# Allegro board com_v1_p3.brd (continued)
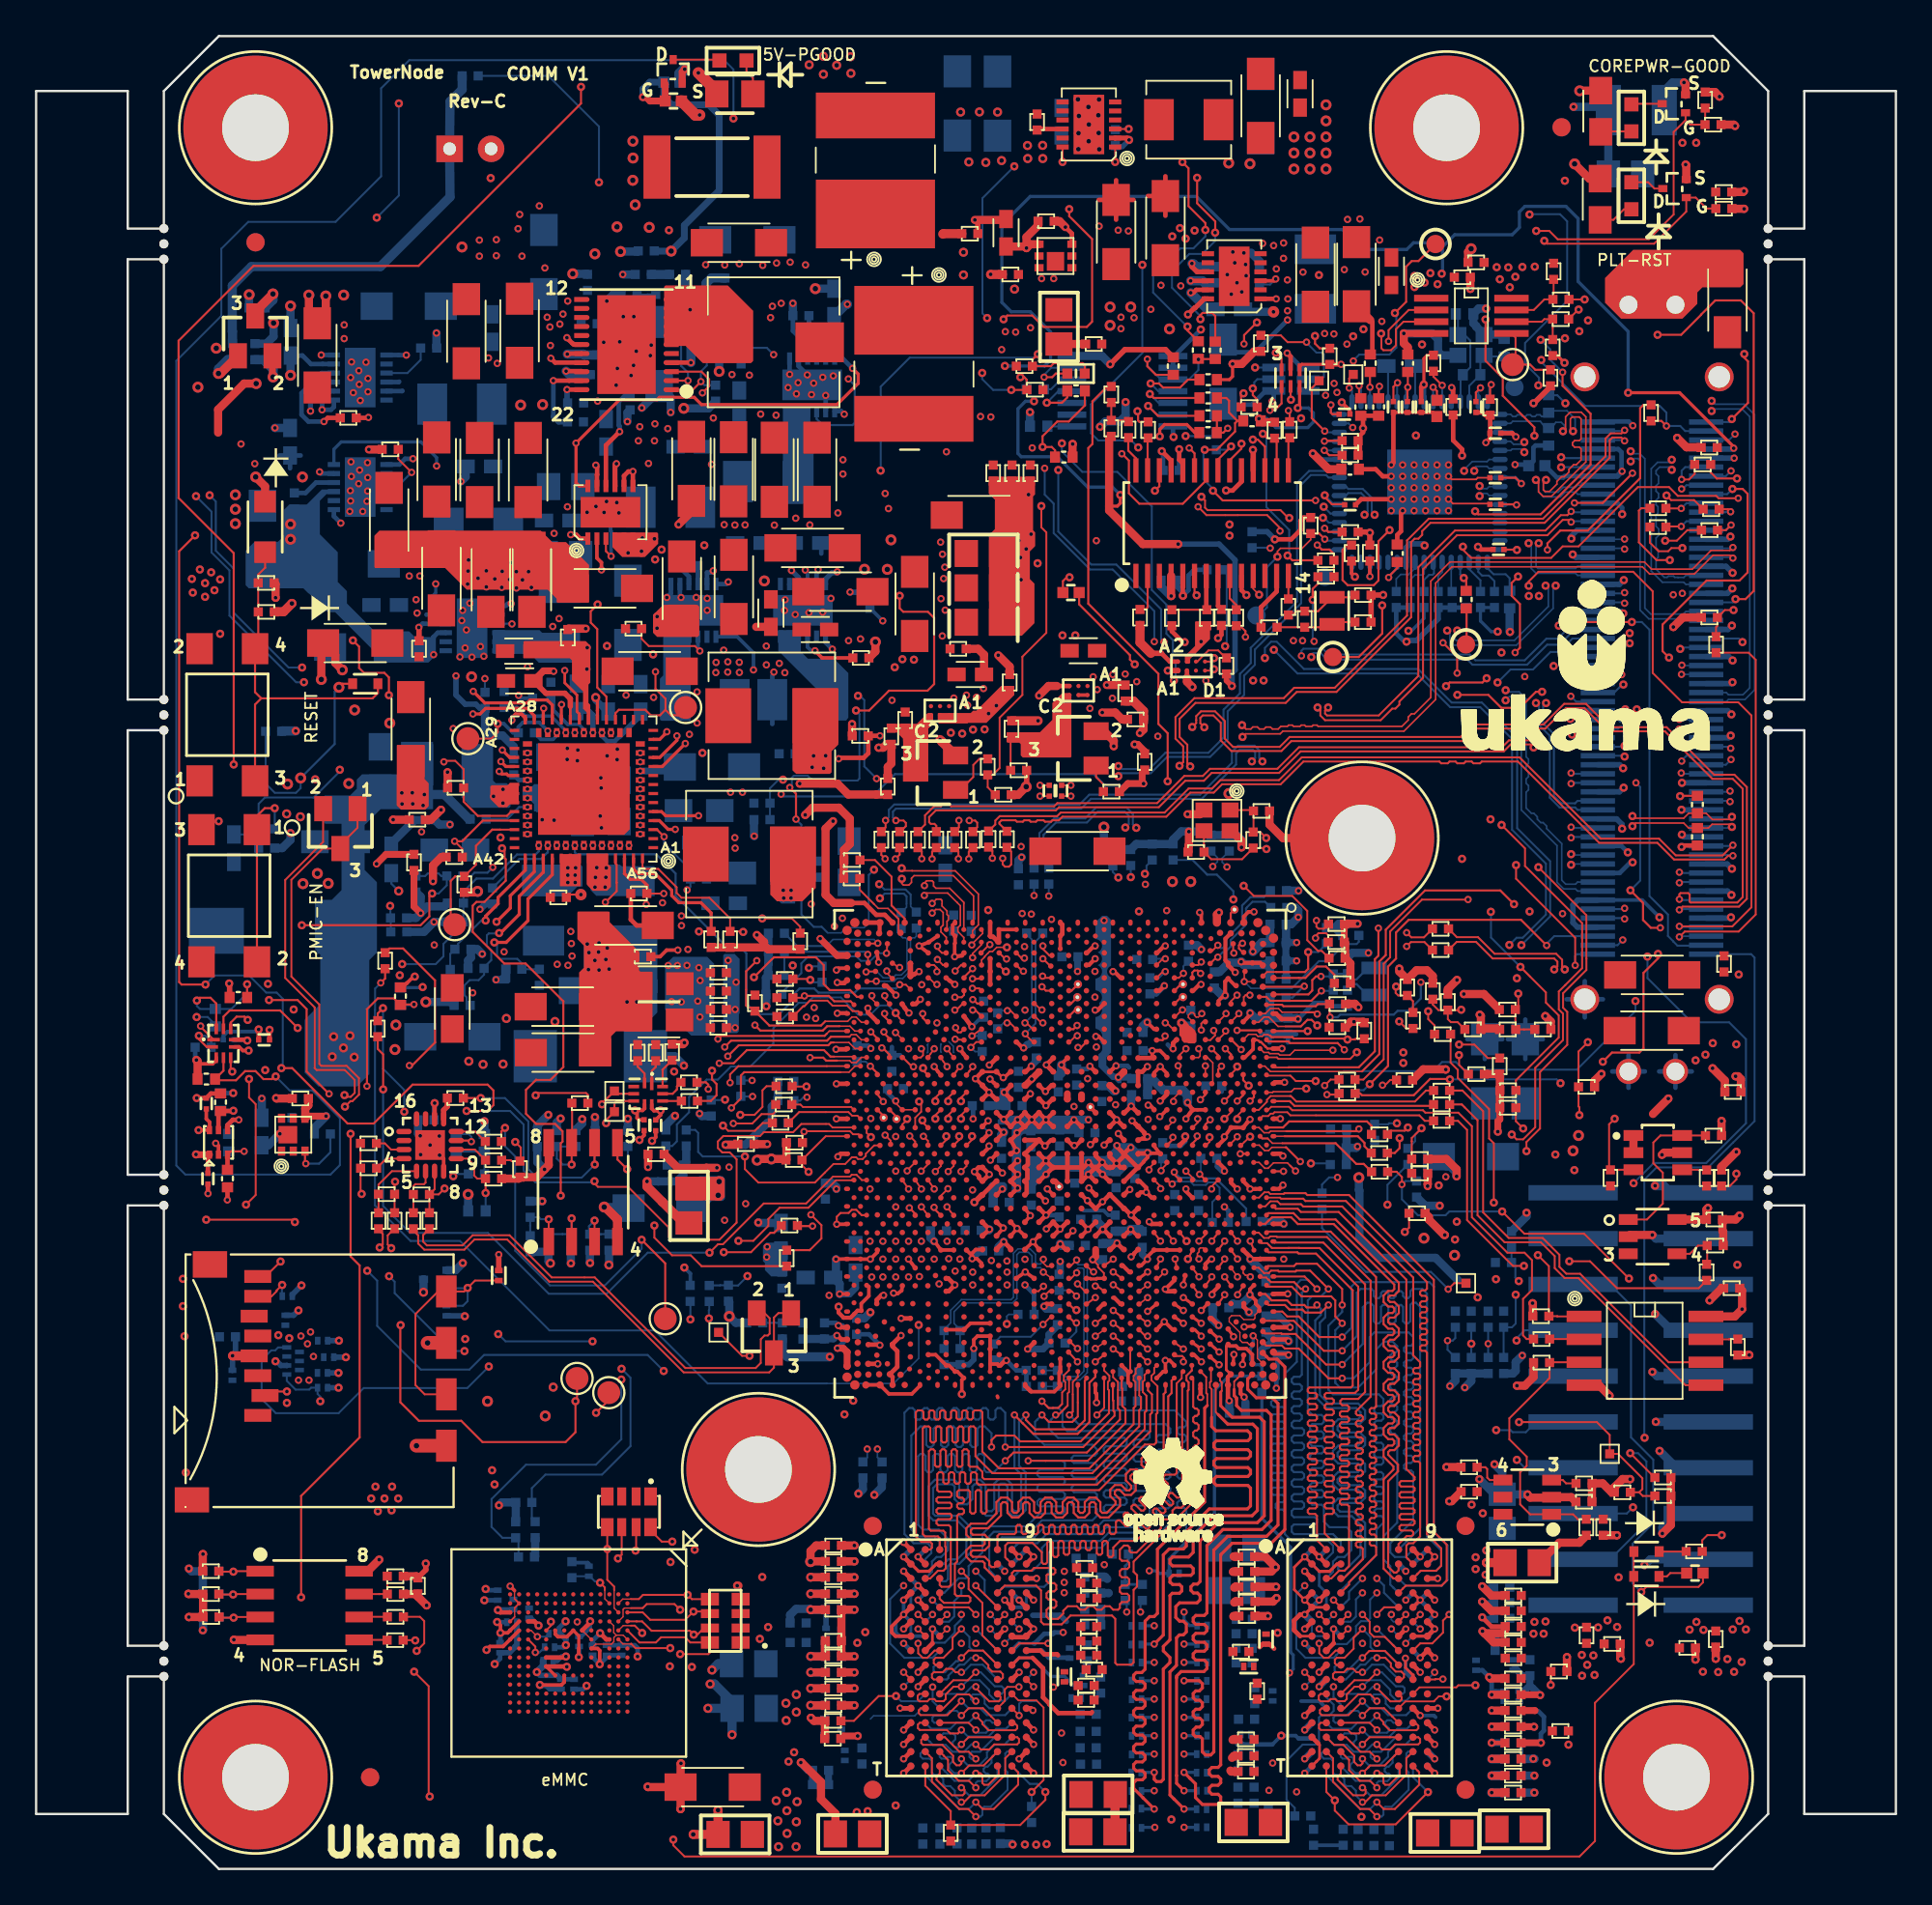
[diagram p0: board, top side]
## Routing (per net, layer and track width the routed paths; a pad name or vN(x,y) marks a point on that pad's centre or on a via; arc(x,y) is an arc through that point) (continued)
M_A_DQS_P5: length 31.7
  TOP w0.086: U37.F3 v2(50.47,14.1) ; U3C1.T42 v2(61.59,32.38)
  L3_SIG1 w0.114: v2(61.59,32.38) 61.5,32.38 61.21,32.1 61.21,31.63 60.06,30.48 60.06,27.42 59.22,26.57 59.22,25.97 59.2,25.95 59.2,22.01 58.94,21.76 58.74,21.76 58.33,22.16 57.95,22.16 57.67,21.89 57.67,21.5 58.08,21.09 58.08,20.9 57.95,20.77 57.76,20.77 57.35,21.18 56.96,21.18 56.68,20.9 56.68,20.51 57.09,20.1 57.09,19.91 56.92,19.74 56.76,19.74 56.32,20.18 55.96,20.18 55.66,19.88 55.66,19.52 57.13,18.06 57.13,17.79 57.02,17.67 56.41,17.67 55.99,17.25 55.99,16.81 55.92,16.74 54.69,16.74 54.64,16.69 54.63,16.69 53.47,15.53 53.41,15.53 52.88,14.99 50.95,14.99 50.63,14.67 50.63,14.25 v2(50.47,14.1)
M_A_DQS_P6: length 31.9
  TOP w0.086: v2(58.7,29.54) U3C1.Y47
  L8_SIG4 w0.114: v2(58.7,29.54) 58.34,29.17 58.34,28.67 58.54,28.47 58.95,28.47 59.06,28.36 59.06,27.09 58.91,26.94 58.41,26.94 58.07,26.61 58.07,23.94 55.6,21.48 53.98,21.48 53.71,21.2 53.71,20.81 53.98,20.54 55.6,20.54 55.74,20.4 55.74,20.21 55.6,20.08 53.98,20.08 53.71,19.8 53.71,19.41 53.98,19.14 55.6,19.14 55.74,19 55.74,18.81 55.6,18.68 53.98,18.68 53.71,18.41 53.71,18.02 53.98,17.74 55.6,17.74 55.74,17.61 55.74,17.04 55.6,16.9 54.71,16.9 54.34,16.53 54.34,15.77 54.21,15.64 53.7,15.64 53.69,15.63 53.49,15.63 53.03,15.17 53.03,14.25 v2(52.87,14.1)
  BOTTOM w0.086: U30.F3 53.27,13.7 v2(52.87,14.1)
M_A_DQS_P7: length 31.6
  TOP w0.119: v2(54.85,25.16) 54.85,24.89 55.37,24.37 57.61,24.37 58.11,24.87 58.11,27.05 58.21,27.15 U3C1.AB52
  BOTTOM w0.119: v2(54.85,25.16) 54.47,24.78 54.47,22.35 54.84,21.98 54.84,19.89 54.52,19.58 54.11,19.58 53.83,19.87 53.83,21.2 53.67,21.35 53.45,21.35 53.35,21.25 53.35,19.87 53.06,19.58 52.65,19.58 52.36,19.87 52.36,21.17 52.22,21.32 52,21.32 51.88,21.2 51.88,20.5 51.6,20.21 51.19,20.21 50.9,20.5 50.9,21.2 50.78,21.32 49.92,21.32 49.7,21.11 49.7,19.7 49.82,19.58 51.14,19.58 51.8,18.92 51.8,17.56 51.15,16.91 50.66,16.91 50.53,16.78 50.53,16.06 50.41,15.94 50.23,15.94 U30.C7
M_A_ODT0: length 77.3
  TOP w0.109: U27.K1 70.54,10.67 v2(70.3,10.9) ; U37.K1 v2(48.07,10.9)
  TOP w0.173: v2(61.59,33.09) U3C1.T41
  L3_SIG1 w0.157: v2(52.07,12.5) 52.91,12.5 53.39,12.02 54.07,12.02 54.24,12.2 55.31,12.2 55.7,11.81 55.7,11.33 v2(55.27,10.9) ; v2(70.3,10.9) 70.71,11.31 72.73,11.31 72.88,11.47 72.88,11.92 73.05,12.08 73.96,12.08 74.3,12.42 v2(74.3,12.5)
  L7_PWR2 w0.157: v2(48.07,10.9) 48.44,11.27 48.79,11.62 50.07,12.9 51.67,12.9 v2(52.07,12.5) 52.48,12.9 52.48,13.56 52.62,13.7 56.34,13.7 57.39,14.75 59.08,14.75 59.46,15.13 62.72,15.13 63.06,14.8 v2(63.61,14.24) 64.49,14.24 66.25,12.49 69.29,12.49 69.71,12.91 73.9,12.91 v2(74.3,12.5) 75.13,12.5 75.55,12.08 77.65,12.08 77.93,11.81 77.93,11.33 v2(77.5,10.9)
  L8_SIG4 w0.102: 64.37,31.39 63.74,32.02 63.43,32.02 62.73,32.72 61.96,32.72 v2(61.59,33.09)
  L8_SIG4 w0.157: v2(63.61,14.24) 63.61,13.86 63.86,13.61 64.15,13.61 64.29,13.76 64.29,14.1 64.44,14.24 64.64,14.24 64.79,14.1 64.79,13.76 64.93,13.61 65.14,13.61 65.28,13.76 65.28,14.1 65.43,14.24 65.63,14.24 65.78,14.1 65.78,13.75 65.92,13.61 66.28,13.61 66.91,14.24 66.91,25.29 66.53,25.67 66.53,27.58 65.98,28.13 65.98,30.42 65.01,31.39 64.37,31.39
  BOTTOM w0.109: U24.K1 v2(77.5,10.9)
  BOTTOM w0.112: U30.K1 v2(55.27,10.9)
  BOTTOM w0.173: R11240.1 63.92,13.49 63.61,13.8 v2(63.61,14.24)
M_A_RAS_N: length 65.9
  TOP w0.109: U37.J3 49.85,11.3 49.74,11.4 49.74,11.6 49.85,11.7 50.28,11.7 50.79,12.21 50.79,12.81 v2(51.27,13.3) ; v2(73.5,13.3) 73.01,12.81 73.01,12.21 72.5,11.7 72.07,11.7 71.97,11.6 71.97,11.4 72.07,11.3 U27.J3
  TOP w0.173: U3C1.M45 v2(63.58,30.25)
  L4_PWR1 w0.157: v2(73.5,13.3) 73.11,12.91 72.28,12.08 69.96,12.08 69.45,12.59 64.63,12.59 64.12,13.1 62.34,13.1 v2(61.96,13.48) 61.68,13.2 61.26,12.78 61.26,12.4 60.95,12.08 60.58,12.08 60.32,12.34 59.92,12.34 59.66,12.08 59.26,12.08 59,12.34 58.6,12.34 58.34,12.08 57.94,12.08 57.68,12.34 57.28,12.34 57.02,12.08 55.83,12.08 55.32,12.6 54.39,12.6 53.88,12.08 53.45,12.08 52.63,12.9 51.68,12.9 51.58,13 v2(51.27,13.3)
  L8_SIG4 w0.102: v2(63.58,30.25) 63.93,29.89 63.93,27.77 63.74,27.58
  L8_SIG4 w0.157: 63.74,27.58 63.74,27.58 63.74,21.73 62.09,20.08 61.83,20.08 61.71,19.96 61.71,19.76 61.85,19.61 62.8,19.61 62.95,19.47 62.95,19.26 62.8,19.12 61.22,19.12 61.07,18.97 61.07,18.77 61.22,18.62 62.8,18.62 62.95,18.48 62.95,18.27 62.8,18.13 61.22,18.13 61.07,17.98 61.07,17.78 61.22,17.63 62.8,17.63 62.95,17.49 62.95,15.92 62.18,15.15 62.18,13.71 61.96,13.5 v2(61.96,13.48)
  BOTTOM w0.109: U24.J3 74.72,12.08 74.15,12.08 73.94,12.29 73.94,12.86 v2(73.5,13.3) ; v2(51.27,13.3) 51.72,12.86 51.72,12.29 51.93,12.08 52.49,12.08 52.92,11.66 52.92,11.66 U30.J3
  BOTTOM w0.173: R11250.1 61.25,13.48 v2(61.96,13.48)
M_A_RST_N: length 74.1
  TOP w0.109: v2(62.53,33.09) 62.18,32.74 U3C1.P41
  TOP w0.112: v1(77.13,4.26) 75.34,2.47 72.73,2.47 71.97,3.23 v1(71.97,3.8) 71.5,4.27 U27.T2 ; v1(55.93,4.27) 55.93,3.83 54.54,2.44 R658.2 50.68,3.21 49.27,4.61 U37.T2
  L3_SIG1 w0.102: 62.21,25.85 62.21,30.14 62.16,30.19 62.16,32.72 v2(62.53,33.09)
  L3_SIG1 w0.157: 62.21,25.85 62.21,21.22 61.86,20.87 61.86,20.87 61.26,20.28 61.26,15.62 60.05,14.4 60.05,7.67 56.64,4.27 v1(55.93,4.27) 55.93,3.8 58.08,1.65 69.82,1.65 v1(71.97,3.8)
  BOTTOM w0.112: U30.T2 55.06,4.71 55.48,4.71 v1(55.93,4.27) ; U24.T2 76.3,5.09 v1(77.13,4.26)
M_A_WE_N: length 70
  TOP w0.102: 65.14,25.04 65.14,26.6 65.04,26.69 65.04,26.97 65.1,27.03 65.1,27.71 U3C1.H51
  TOP w0.109: U37.L3 50.42,10.05 50.83,10.46 51.63,10.46 v2(52.07,10.9) ; v2(74.3,10.9) 73.85,10.46 73.05,10.46 72.76,10.17 U27.L3
  TOP w0.173: 65.14,25.04 65.14,24.53 65.38,24.29 67.13,24.29 67.3,24.12 67.3,23.88 67.15,23.74 65.41,23.74 65.26,23.59 65.26,23.39 65.41,23.24 67.15,23.24 67.3,23.1 67.3,22.89 67.15,22.75 65.41,22.75 65.26,22.6 65.26,22.4 65.41,22.25 67.15,22.25 67.3,22.11 67.3,21.9 67.15,21.76 65.41,21.76 65.26,21.61 65.26,21.41 65.41,21.26 67.15,21.26 67.3,21.12 67.3,20.12 67.13,19.96 65.01,19.96 63.74,18.69 63.74,17.9 63.57,17.74 62.79,17.74 62.46,17.41 62.46,12.97 v2(61.96,12.46)
  L7_PWR2 w0.157: v2(74.3,10.9) 73.9,10.5 72.42,10.5 71.51,11.42 68.76,11.42 68.28,10.93 65.27,10.93 64.15,12.05 62.37,12.05 v2(61.96,12.46) 61.45,11.96 60.82,11.96 59.37,10.5 58.78,10.5 58.59,10.7 58.59,10.92 58.44,11.07 58.24,11.07 58.09,10.92 58.09,10.7 57.95,10.55 57.74,10.55 57.6,10.7 57.6,10.92 57.45,11.07 57.25,11.07 57.1,10.92 57.1,10.7 56.96,10.55 56.75,10.55 56.61,10.7 56.61,10.92 56.46,11.07 56.26,11.07 56.11,10.92 56.11,10.7 55.91,10.5 54.27,10.5 53.58,11.19 52.37,11.19 v2(52.07,10.9)
  BOTTOM w0.109: U30.L3 53.51,9.7 53.61,9.8 53.61,10.02 53.51,10.12 53.13,10.12 52.35,10.9 v2(52.07,10.9) ; v2(74.3,10.9) 74.57,10.9 75.35,10.12 75.73,10.12 75.83,10.02 75.83,9.8 75.73,9.7 U24.L3
  BOTTOM w0.173: R11253.1 61.27,12.46 v2(61.96,12.46)
MMC_CLK: length 54.9
  TOP w0.109: v1(51.25,41.58) 51.25,41.78 U3C1.AT22 ; v2(27.66,12) 27.66,12.32 U3.M6
  L3_SIG1 w0.102: v1(36.34,11.19) 34.26,9.11 27.73,9.11 27.15,9.7 27.15,11.48 v2(27.66,12)
  L8_SIG4 w0.102: v1(36.34,11.19) 36.99,11.84 38.15,11.84 41.73,15.43 41.73,18.19 43.69,20.14 43.69,23.97 42.88,24.78 42.88,34.12 43.82,35.06 43.94,35.19 43.94,36.02 45.26,37.33 45.26,38.66 46.33,39.73 49.43,39.73 49.95,40.24 49.95,40.66 50.31,41.02 50.69,41.02 v1(51.25,41.58)
  BOTTOM w0.109: v2(27.66,12) 27.89,12 R36.2
MMC_CMD: length 54.6
  TOP w0.076: U3.M5 27.43,13.22 v2(27.78,12.88)
  TOP w0.109: v1(50.44,40.62) 50.44,40.42 U3C1.AV26
  L3_SIG1 w0.102: v1(35.12,11.23) 32.14,11.23 30.14,13.23 29.3,13.23 28.95,12.88 v2(27.78,12.88)
  L8_SIG4 w0.102: v1(50.44,40.62) 50.44,39.92 50.05,39.52 46.41,39.52 45.46,38.57 45.46,36.81 44.78,36.13 44.78,35.31 43.36,33.9 43.36,25.47 45.65,23.18 45.65,21.86 44.17,20.38 44.17,19.94 42.29,18.06 42.29,13.82 37.96,9.49 36.21,9.49 35.14,10.56 35.14,11.21 v1(35.12,11.23)
  BOTTOM w0.109: R39.2 28.26,12.88 v2(27.78,12.88)
MMC_D0: length 50.9
  TOP w0.109: U3.A3 33.62,14.22 34.03,13.81 35.97,13.81 v1(36.43,14.27) 37.22,14.27 NR5.6 ; U3C1.AV20 49.83,42.75 v1(49.83,42.56)
  L8_SIG4 w0.102: v1(49.83,42.56) 49.46,42.93 46.7,42.93 44.59,40.82 43.32,40.82 41.89,39.39 41.89,38.7 41.11,37.93 41.11,29.34 39.06,27.29 38.8,27.29 38.7,27.39 38.7,27.53 38.6,27.63 38.39,27.63 38.29,27.53 38.29,27.39 38.19,27.29 37.99,27.29 37.88,27.39 37.88,27.53 37.78,27.63 37.58,27.63 37.48,27.53 37.48,27.39 37.38,27.29 37.17,27.29 37.07,27.39 37.07,27.53 36.97,27.63 36.77,27.63 36.66,27.53 36.66,27.39 36.56,27.29 36.36,27.29 36.26,27.39 36.26,27.53 36.16,27.63 35.95,27.63 35.85,27.53 35.85,27.39 35.75,27.29 35.2,27.29 34.85,26.93 34.85,26.4 34.75,26.3 34.66,26.3 34.55,26.2 34.55,25.99 34.66,25.89 34.75,25.89 34.85,25.79 34.85,25.59 34.75,25.49 34.66,25.49 34.55,25.38 34.55,25.18 34.66,25.08 34.75,25.08 34.85,24.98 34.85,24.77 34.75,24.67 34.66,24.67 34.55,24.57 34.55,24.37 34.66,24.27 34.75,24.27 34.85,24.16 34.85,23.96 34.75,23.86 34.66,23.86 34.55,23.76 34.55,23.56 34.66,23.45 34.75,23.45 34.85,23.35 34.85,23.15 34.75,23.05 34.66,23.05 34.55,22.95 34.55,22.74 34.66,22.64 34.75,22.64 34.85,22.54 34.85,22.34 34.75,22.23 34.66,22.23 34.55,22.13 34.55,21.93 34.66,21.83 34.75,21.83 34.85,21.73 34.85,21.52 34.75,21.42 34.66,21.42 34.55,21.32 34.55,21.12 34.66,21.02 34.75,21.02 34.85,20.91 34.85,17.69 35.06,17.48 35.39,17.48 36.84,16.04 36.84,14.68 v1(36.43,14.27)
MMC_D1: length 51
  TOP w0.109: U3.A4 32.86,13.72 32.86,13.72 33.27,13.72 33.27,13.72 33.58,13.72 34.1,13.2 36.23,13.2 v1(36.44,12.99) 36.64,12.99 37.01,13.35 NR5.7 ; U3C1.AU22 50.54,41.78 v1(50.54,41.58)
  L8_SIG4 w0.102: v1(50.54,41.58) 50.5,41.58 49.95,41.03 49.94,41.03 49.64,40.73 49.64,40.22 49.35,39.93 46.22,39.93 45.02,38.73 45.02,37.41 43.77,36.16 43.77,36.14 43.74,36.11 43.74,35.64 42.39,34.3 42.39,24.17 43.1,23.47 43.1,21.01 41.03,18.94 41.03,15.41 40.68,15.05 40.53,15.05 39.87,15.72 39.73,15.72 39.58,15.57 39.58,15.43 40.25,14.77 40.25,14.62 40.1,14.48 39.96,14.48 39.29,15.14 39.15,15.14 39.01,15 39.01,14.86 39.67,14.19 39.67,14.05 39.53,13.9 39.38,13.9 38.72,14.57 38.58,14.57 38.43,14.42 38.43,14.28 39.1,13.62 39.1,13.47 38.61,12.99 37.98,12.99 37.87,12.89 37.87,12.45 37.77,12.35 37.57,12.35 37.47,12.45 37.47,12.89 37.37,12.99 v1(36.44,12.99)
MMC_D2: length 55.5
  TOP w0.109: U3C1.AV22 49.83,41.78 v1(49.83,41.58) ; U3.A5 33.43,12.55 34.35,12.55 34.63,12.84 35.97,12.84 36.26,12.55 NR5.8 37.34,12 37.25,11.91 v1(35.69,11.91)
  L8_SIG4 w0.102: v1(35.69,11.91) 36.04,12.26 36.04,12.6 36.04,12.6 36.04,13.16 36.3,13.41 37.29,13.41 37.66,13.78 37.66,15.91 37.88,16.13 39.41,16.13 39.57,16.3 39.57,16.85 39.36,17.07 36.45,17.07 35.89,17.63 35.89,25.7 36.51,26.32 41.29,26.32 41.84,26.88 41.84,37.29 42.79,38.24 42.97,38.24 43.21,38.47 43.21,38.48 43.31,38.58 44.04,38.58 45.01,39.55 45.01,40.04 46.14,41.18 48.42,41.18 48.67,41.43 48.67,41.74 48.86,41.94 49.48,41.94 v1(49.83,41.58)
MMC_D3: length 51.2
  TOP w0.076: 32.95,14.96 32.51,14.96 U3.B2
  TOP w0.109: v1(51.25,42.56) 51.25,42.75 U3C1.AT20 ; NR5.5 36.34,14.95 v1(36.1,15.19) 33.63,15.19 33.4,14.96 32.95,14.96
  L8_SIG4 w0.102: v1(36.1,15.19) 35.09,15.19 34.58,15.7 34.58,19.74 34.33,20 34.33,27.87 34.55,28.1 35.41,28.1 35.51,28.2 35.51,28.41 35.61,28.51 35.82,28.51 35.92,28.41 35.92,28.2 36.02,28.1 36.22,28.1 36.33,28.2 36.33,28.41 36.43,28.51 36.63,28.51 36.73,28.41 36.73,28.2 36.83,28.1 37.04,28.1 37.14,28.2 37.14,28.41 37.24,28.51 37.44,28.51 37.54,28.41 37.54,28.2 37.65,28.1 38.19,28.1 40.63,30.54 40.63,33.2 40.1,33.73 40.1,35.05 40.61,35.56 40.61,38.16 41.5,39.04 41.5,40.58 42.22,41.3 43.74,41.3 43.84,41.2 44.6,41.2 46.59,43.19 50.62,43.19 v1(51.25,42.56)
MMC_D4: length 54.7
  TOP w0.076: U3.B3 32.03,14.46 32.03,15.46
  TOP w0.109: v1(49.11,41.5) 49.11,41.4 U3C1.AY24 ; 32.03,15.46 32.03,15.65 31.65,16.03 v1(31.65,17.73) NR4.5
  L3_SIG1 w0.102: v1(36.49,17.7) 35.37,18.82 32.74,18.82 v1(31.65,17.73)
  L8_SIG4 w0.102: v1(36.49,17.7) 36.49,21.63 36.6,21.73 37.22,21.73 37.32,21.84 37.32,22.04 37.22,22.14 36.6,22.14 36.49,22.24 36.49,22.45 36.6,22.55 37.22,22.55 37.32,22.65 37.32,22.85 37.22,22.95 36.6,22.95 36.49,23.06 36.49,23.26 36.6,23.36 37.22,23.36 37.32,23.46 37.32,23.66 37.22,23.77 36.6,23.77 36.49,23.87 36.49,24.87 37.24,25.62 37.51,25.62 37.61,25.52 37.61,24.83 37.71,24.73 37.91,24.73 38.01,24.83 38.01,25.52 38.12,25.62 38.32,25.62 38.42,25.52 38.42,24.83 38.52,24.73 38.72,24.73 38.83,24.83 38.83,25.52 38.93,25.62 39.13,25.62 39.23,25.52 39.23,24.83 39.33,24.73 39.54,24.73 39.64,24.83 39.64,25.52 39.74,25.62 39.94,25.62 40.05,25.52 40.05,24.83 40.15,24.73 40.35,24.73 40.45,24.83 40.45,25.52 40.55,25.62 41.43,25.62 42.08,26.26 42.08,36.32 45.89,40.13 48.66,40.13 48.81,40.28 48.81,41.19 v1(49.11,41.5)
MMC_D5: length 52.7
  TOP w0.076: U3.B4 32.53,13.98 32.53,14.38 32.6,14.46 32.96,14.46
  TOP w0.109: v1(35.69,14.37) 35.37,14.68 33.84,14.68 33.62,14.46 32.96,14.46 ; v1(51.15,40.62) 51.15,40.42 U3C1.AU26 ; NR4.6 32.45,17.42 v1(32.24,17.21)
  L3_SIG1 w0.102: v1(44.79,25.2) 44.79,22.14 39.13,16.48 35.69,16.48 v1(35.16,17.01) 34.85,16.71 32.75,16.71 v1(32.24,17.21)
  L8_SIG4 w0.102: v1(44.79,25.2) 44.2,25.2 43.59,25.81 43.59,26.56 43.69,26.66 44.28,26.66 44.38,26.76 44.38,26.96 44.28,27.07 43.69,27.07 43.59,27.17 43.59,27.37 43.69,27.47 44.28,27.47 44.38,27.57 44.38,27.78 44.28,27.88 43.69,27.88 43.59,27.98 43.59,33.8 43.82,34.02 44.98,35.19 44.98,36.04 44.99,36.04 45.66,36.71 45.66,37.72 46.03,38.09 46.22,38.09 47.45,39.32 50.28,39.32 51.15,40.19 v1(51.15,40.62) ; v1(35.16,17.01) 35.46,16.71 35.46,16.7 36.61,15.55 36.61,15.11 36.12,14.63 35.95,14.63 v1(35.69,14.37)
MMC_D6: length 52.6
  TOP w0.076: 32.96,13.49 32.53,13.49 U3.B5
  TOP w0.109: v1(51.86,40.62) 51.86,40.42 U3C1.AT26 ; v1(33.22,17.65) 33.25,17.68 NR4.7 ; v1(33.58,13.08) 33.18,13.49 32.96,13.49
  L3_SIG1 w0.102: v1(45.28,25.96) 43.96,25.96 43.76,25.75 43.76,21.77 39.08,17.09 35.91,17.09 35.36,17.65 v1(33.22,17.65)
  L8_SIG4 w0.102: v1(33.58,13.08) 33.22,13.44 v1(33.22,17.65) ; v1(51.86,40.62) 50.37,39.12 47.56,39.12 46.91,38.47 46.91,37.54 45.19,35.82 45.19,35 44.88,34.7 44.88,27.57 46.71,25.75 46.71,24.13 46.43,23.85 45.65,23.85 45.33,24.17 45.33,24.73 45.43,24.83 45.78,24.83 45.89,24.93 45.89,25.13 45.78,25.23 45.43,25.23 45.33,25.34 45.33,25.91 v1(45.28,25.96)
MMC_D7: length 51.7
  TOP w0.076: 32.96,12.48 32.95,12.47 32.52,12.47 U3.B6
  TOP w0.109: NR4.8 34.05,18.76 34.67,18.14 v1(35.25,18.14) ; v1(50.54,42.56) 50.54,42.75 U3C1.AU20 ; v1(35.14,12.24) 33.22,12.24 32.98,12.48 32.96,12.48
  L8_SIG4 w0.102: v1(35.14,12.24) 35.64,12.74 35.64,12.86 35.64,12.86 35.64,13.24 36.09,13.69 36.94,13.69 37.33,14.08 37.33,15.86 35.66,17.54 35.66,17.74 v1(35.25,18.14) 35.25,18.58 35.26,18.58 35.26,20.17 35.36,20.27 35.56,20.27 35.66,20.37 35.66,20.58 35.56,20.68 35.36,20.68 35.26,20.78 35.26,20.98 35.36,21.09 35.56,21.09 35.66,21.19 35.66,21.39 35.56,21.49 35.36,21.49 35.26,21.59 35.26,21.8 35.36,21.9 35.56,21.9 35.66,22 35.66,22.2 35.56,22.3 35.36,22.3 35.26,22.41 35.26,26.56 35.54,26.84 40.23,26.84 41.56,28.18 41.56,37.79 42.4,38.63 42.4,38.81 42.4,39.56 43.43,40.59 44.71,40.59 46.27,42.15 50.09,42.15 50.19,42.25 50.24,42.25 v1(50.54,42.56)
MMC_RST: length 106.5
  TOP w0.102: U3.K5 28.53,13.48
  TOP w0.109: R2N24.1 40.48,43.39 40.25,43.16 40.25,42.24 39.81,41.8 v1(39.02,41.8) ; 28.53,13.48 v1(28.53,13.71)
  TOP w0.119: v1(66.91,81.8) 66.77,81.66 66.77,81.04 R2N25.2
  L8_SIG4 w0.102: v1(66.91,81.8) 64.8,81.8 63.37,80.37 60.36,80.37 57.01,77.02 54.64,77.02 53.46,75.84 53.46,69.55 48.09,64.18 48.09,60.74 45.65,58.3 45.65,58.04 43.15,55.54 40.78,55.54 40.03,54.8 34.96,54.8 34.23,54.06 34.23,53.25 33.21,52.23 33.21,49.33 33.21,49.17 33.84,48.54 33.84,47.62 35.2,46.27 35.2,45.58 35.68,45.1 36.21,45.1 36.5,44.81 36.5,43 37.7,41.8 38.59,41.8 38.59,41.8 v1(39.02,41.8) 39.02,40.59 38.69,40.26 38.69,39.22 38.89,39.01 38.89,38.23 38.59,37.93 38.59,35.41 38.42,35.24 38.42,34.56 38.58,34.41 38.58,32.03 39.13,31.48 39.13,30.41 38.23,29.51 34,29.51 33.09,28.6 33.09,20.52 28.53,15.96 v1(28.53,13.71)
MODULE_SAFEBOOT_N: length 3.3
  TOP w0.109: R2A18.2 91.91,77.33 91.6,77.02 v2(91.19,77.02)
  BOTTOM w0.109: v2(91.19,77.02) 91.19,77.51 91.39,77.71 J20.115
PCIE0_CLKN: length 55.9
  TOP w0.112: v2(55.79,50.45) 55.8,50.45 56.2,50.05 U3C1.AF6 ; v1(63.95,61.11) 63.79,61.27 63.79,62.32 63.37,62.75 63.37,63.76 64.25,64.64 69.25,64.64 69.85,65.24 72.06,65.24 76.2,69.39 76.2,73.55 76.39,73.74 76.6,73.74 76.81,73.95 76.81,74.16 77.27,74.62 83.6,74.62 87.2,78.22 87.2,79.2 87.35,79.35 87.84,79.35 v2(88.03,79.16)
  L3_SIG1 w0.086: 58.24,53.49 58.24,53.47 58.21,53.44 58.21,52.19 56.74,50.72 56.05,50.72 v2(55.79,50.45)
  L3_SIG1 w0.119: v1(63.95,61.11) 63.78,60.94 63.78,60.91 63.78,60 63,59.21 59.39,59.21 58.24,58.07 58.24,53.49
  BOTTOM w0.112: v2(88.03,79.16) 87.98,79.21 J20.58
PCIE0_CLKP: length 56.1
  TOP w0.112: v2(88.03,79.75) 87.85,79.58 87.25,79.58 86.97,79.29 86.97,78.32 83.5,74.85 77.17,74.85 75.97,73.64 75.97,69.48 71.96,65.47 69.71,65.47 69.14,64.9 64.19,64.9 63.14,63.85 63.14,62.65 63.57,62.23 63.57,61.35 v1(63.36,61.15) ; v2(55.79,51.17) 55.79,51 56.15,50.64 U3C1.AF4
  L3_SIG1 w0.086: 57.99,53.49 57.99,53.47 58.02,53.44 58.02,52.26 56.66,50.9 56.05,50.9 v2(55.79,51.17)
  L3_SIG1 w0.119: v1(63.36,61.15) 63.53,60.98 63.53,60.93 63.54,60.91 63.54,60.1 62.9,59.46 59.27,59.46 57.99,58.17 57.99,53.49
  BOTTOM w0.112: J20.59 87.98,79.71 v2(88.03,79.75)
PCIE0_RXN: length 81.6
  TOP w0.112: v2(50.95,46.63) 50.95,46.5 51.08,46.37 51.24,46.37 U3C1.AT13
  L3_SIG1 w0.086: 43.9,44.46 44.25,44.1 47.22,44.1 47.59,44.47 47.59,45.64 48.38,46.43 50.76,46.43 v2(50.95,46.63)
  L3_SIG1 w0.119: v1(66.13,73.91) 65.95,74.09 65.14,74.09 65,73.95 64.63,73.95 64.49,74.09 64.28,74.09 64.14,73.95 63.71,73.95 63.57,74.09 60.55,74.09 59.32,72.86 59.29,72.86 57.69,72.86 49.35,64.52 49.35,63.61 49.05,63.31 49.05,61.12 47.84,59.91 47.12,59.91 42.55,55.33 42.55,51.28 43.71,50.11 43.71,48.24 43.9,48.05 43.9,44.46
  L8_SIG4 w0.119: v1(66.13,73.91) 66.28,74.06 66.89,74.06 67.09,74.26 67.34,74.26 67.48,74.4 67.48,74.65 67.73,74.9 68.03,74.9 68.25,75.12 68.25,75.42 68.49,75.66 68.76,75.66 68.98,75.87 68.98,76.15 69.18,76.35 69.42,76.35 69.63,76.55 69.63,76.8 69.87,77.04 70.08,77.04 70.26,77.22 70.26,77.43 70.54,77.71 72.54,77.71 73.15,78.32 73.33,78.32 73.49,78.49 73.49,78.67 73.7,78.88 73.87,78.88 74.05,79.06 74.05,79.22 74.21,79.38 74.42,79.38 74.73,79.69 74.73,79.9 74.88,80.06 83.24,80.06 84.28,79.01 85.18,79.01 85.46,78.72 85.46,78.32 85.25,78.1 84.66,78.1 v1(84.51,78.25)
  BOTTOM w0.112: J20.56 84.56,78.21 v1(84.51,78.25)
PCIE0_RXP: length 81.8
  TOP w0.112: U3C1.AT14 v2(50.93,45.99)
  L3_SIG1 w0.086: v2(50.93,45.99) 50.68,46.24 48.46,46.24 47.78,45.56 47.78,44.39 47.3,43.91 44.14,43.91 43.82,44.24
  L3_SIG1 w0.119: 43.82,44.24 43.8,44.24 43.64,44.39 43.64,47.95 43.46,48.13 43.46,50.01 42.29,51.17 42.29,55.42 47.02,60.15 47.74,60.15 48.81,61.22 48.81,63.41 49.11,63.71 49.11,64.7 57.51,73.1 59.2,73.1 60.44,74.34 65.95,74.34 v1(66.13,74.53)
  L8_SIG4 w0.119: v1(84.51,77.7) 84.66,77.85 85.33,77.85 85.7,78.22 85.7,78.82 85.28,79.25 84.38,79.25 83.32,80.31 74.78,80.31 72.43,77.97 70.44,77.97 66.78,74.31 66.35,74.31 v1(66.13,74.53)
  BOTTOM w0.112: v1(84.51,77.7) 84.52,77.71 J20.55
PCIE0_TXN: length 50.5
  TOP w0.112: v2(47.64,58.12) 48.07,58.12 48.2,57.99 48.2,57.8 47.89,57.5 C1999.2
  L3_SIG1 w0.119: v1(67.37,61.4) 67.54,61.22 67.54,60.49 67.85,60.17 75.53,60.17 79.62,56.08 83.3,56.08 86.57,52.81 87.88,52.81 v2(88.03,52.66)
  BOTTOM w0.112: v1(67.37,61.4) 67.55,61.58 67.55,61.91 67.42,62.04 66.7,62.04 66.5,61.83 66.5,61.22 64.6,59.32 58.46,59.32 57.91,58.78 47.65,58.78 47.48,58.61 47.48,58.28 v2(47.64,58.12) ; J20.5 87.98,52.71 v2(88.03,52.66)
PCIE0_TXP: length 50.3
  TOP w0.112: C2000.2 47.07,57.74 v2(47.07,58.12)
  L3_SIG1 w0.119: v1(67.96,61.4) 67.8,61.24 67.8,60.59 67.96,60.43 75.63,60.43 79.72,56.34 83.4,56.34 86.68,53.07 87.1,53.07 87.84,53.07 v2(88.03,53.25)
  BOTTOM w0.112: v1(67.96,61.4) 67.78,61.57 67.78,62 67.52,62.27 66.61,62.27 66.27,61.93 66.27,61.32 64.5,59.55 58.36,59.55 57.82,59 47.55,59 47.25,58.71 47.25,58.3 v2(47.07,58.12) ; J20.6 87.98,53.21 v2(88.03,53.25)
PCIE1_CLKN: length 40.1
  TOP w0.112: v2(55.74,48.9) 55.96,48.68 U3C1.AF9
  L8_SIG4 w0.086: v2(55.74,48.9) 55.94,49.1 56.47,49.1 56.84,49.46 56.84,50.74 58.62,52.51 58.62,53.44 58.64,53.47 58.64,53.49
  L8_SIG4 w0.119: v1(59.97,60.58) 59.83,60.71 59.17,60.71 58.64,60.19 58.64,53.49
  BOTTOM w0.112: v1(59.97,60.58) 60.14,60.74 61.77,60.74 62.67,61.64 65.06,61.64 66.03,62.62 66.03,64.17 66.94,65.08 66.94,66.15 67.54,66.75 67.54,67.6 70.1,70.16 70.1,76.73 70.63,77.27 71.48,77.27 71.62,77.13 U2M2.25
PCIE1_CLKP: length 40.1
  TOP w0.112: v2(55.77,49.49) 55.87,49.39 U3C1.AF7
  L8_SIG4 w0.086: 58.4,53.49 58.4,53.47 58.43,53.44 58.43,52.59 56.65,50.81 56.65,49.54 56.4,49.29 55.97,49.29 v2(55.77,49.49)
  L8_SIG4 w0.119: v1(59.97,61.14) 59.81,60.98 59.09,60.98 58.4,60.29 58.4,53.49
  BOTTOM w0.112: v1(59.97,61.14) 60.14,60.97 61.68,60.97 62.58,61.87 64.96,61.87 65.8,62.71 65.8,64.26 66.71,65.17 66.71,66.25 67.31,66.84 67.31,67.69 69.87,70.25 69.87,76.83 70.54,77.49 71.48,77.49 71.62,77.63 U2M2.26
PCIE1_RXN: length 20
  TOP w0.091: C2M24.1 v2(55.63,59.47)
  TOP w0.112: U3C1.AT9 51.42,48.44 51.3,48.32 v2(50.91,48.32)
  L8_SIG4 w0.086: v2(50.91,48.32) 51.17,48.06 51.36,48.06 51.55,47.86 51.55,47.47 51.79,47.23 52.41,47.23 52.73,47.56 52.73,50.25 53.2,50.72 53.2,51.38 53.75,51.93 56.26,51.93 56.96,52.63 56.96,53.44 56.93,53.47 56.93,53.49
  L8_SIG4 w0.119: v2(55.63,59.47) 56.25,59.47 56.37,59.35 56.37,57.31 56.93,56.75 56.93,53.49
PCIE1_RXP: length 20.2
  TOP w0.091: C2M9.1 v2(57.34,59.47)
  TOP w0.112: U3C1.AT10 51.36,47.97 50.99,47.61 v2(50.91,47.61)
  L8_SIG4 w0.086: v2(50.91,47.61) 51.17,47.87 51.28,47.87 51.37,47.78 51.37,47.39 51.71,47.04 52.49,47.04 52.92,47.48 52.92,50.18 53.39,50.64 53.39,51.3 53.83,51.74 56.33,51.74 57.14,52.55 57.14,53.44 57.17,53.47 57.17,53.49
  L8_SIG4 w0.119: 57.17,53.49 57.17,56.85 56.61,57.41 56.61,59.35 56.73,59.47 v2(57.34,59.47)
PCIE1_TXN: length 69.8
  TOP w0.112: C2B29.2 49.26,57.89 49.26,58.4 49.76,58.91 50.14,58.91 50.26,59.02 50.59,59.02 50.7,58.91 56.41,58.91 56.59,59.08 62.12,59.08 63.63,60.59 64.65,60.59 65.05,60.98 68.79,60.98 69.98,62.18 81.23,62.18 81.62,62.56 82.82,62.56 v1(82.98,62.73)
  L3_SIG1 w0.119: v1(82.72,70.56) 82.85,70.43 82.85,70.22 82.74,70.11 82.17,70.11 81.21,71.06 81.21,77.43 80.59,78.05 80.59,78.35 80.4,78.54 80.11,78.54 79.61,79.04 78.31,79.04 78.18,79.16 77.83,79.16 77.71,79.04 77.35,79.04 77.23,79.16 76.87,79.16 76.75,79.04 75.13,79.04 73.77,77.67 73.77,75.22 v1(73.61,75.07)
  L8_SIG4 w0.119: v1(82.72,70.56) 82.9,70.39 82.9,65.68 82.44,65.23 82.44,64.03 83.2,63.27 83.7,63.27 83.82,63.15 83.82,62.78 83.61,62.57 83.14,62.57 v1(82.98,62.73)
  BOTTOM w0.112: v1(73.61,75.07) 73.79,75.24 73.79,75.91 73.42,76.27 72.71,76.27 72.58,76.13 U2M2.23
PCIE1_TXP: length 69.9
  TOP w0.112: v1(82.98,62.17) 82.82,62.33 81.71,62.33 81.33,61.95 70.07,61.95 68.88,60.76 65.14,60.76 64.71,60.32 63.68,60.32 62.22,58.85 56.68,58.85 56.51,58.68 49.86,58.68 49.49,58.31 49.49,58.02 49.58,57.93 49.78,57.93 49.89,57.83 C2B30.2
  L3_SIG1 w0.119: v1(83.28,70.56) 83.11,70.4 83.11,70.12 82.84,69.85 82.06,69.85 80.96,70.96 80.96,77.33 79.5,78.78 75.24,78.78 74.02,77.57 74.02,75.22 v1(74.17,75.07)
  L8_SIG4 w0.119: v1(82.98,62.17) 83.14,62.32 83.72,62.32 84.07,62.67 84.07,63.25 83.8,63.52 83.31,63.52 82.68,64.15 82.68,65.11 83.15,65.58 83.15,70.44 v1(83.28,70.56)
  BOTTOM w0.112: U2M2.24 72.58,76.63 72.72,76.5 73.52,76.5 74.01,76 74.01,75.23 v1(74.17,75.07)
PCIE2_CLKN: length 68.6
  TOP w0.112: U3C1.AK4 54.61,50.49 v2(54.76,50.49) ; v1(64.07,63.3) 64.29,63.52 64.29,63.68 64.29,63.9 64.55,64.17 65.33,64.17 65.88,63.63 65.88,62.65 66.33,62.2 68.91,62.2 69.46,62.75 78.94,62.75 79.63,63.44 83.53,63.44 84.68,64.58 85.89,64.58 87.18,63.29 90.35,63.29 92.99,60.66 94.11,60.66 94.8,59.97 94.8,53.78 94.36,53.34 91.24,53.34 v2(91.06,53.16)
  L8_SIG4 w0.086: v2(54.76,50.49) 55.01,50.24 55.25,50.24 55.42,50.08 56.02,50.08 56.2,50.25 56.2,51.07 57.77,52.64 57.77,53.38 57.74,53.41 57.74,53.47 57.73,53.48 57.73,53.49
  L8_SIG4 w0.119: 57.73,53.49 57.73,60.61 58.94,61.82 61.81,61.82 62.54,62.55 64.09,62.55 64.27,62.72 64.27,63.1 v1(64.07,63.3)
  BOTTOM w0.112: v2(91.06,53.16) 91.1,53.21 J20.66
